# Altium PCB OSP_Carrier_V8.PcbDoc (part 2 of 3)
Units mm, origin at the board's own origin, x right, y up, seen from the top; angles counter-clockwise.
Board outline 64.1 x 51.1 mm, 4 copper layers (Component Side, Signal Layer 1, Signal Layer 2, Solder Side), stack 1.58 mm thick; 182 components, 144 nets, 1232 pads, 422 vias.
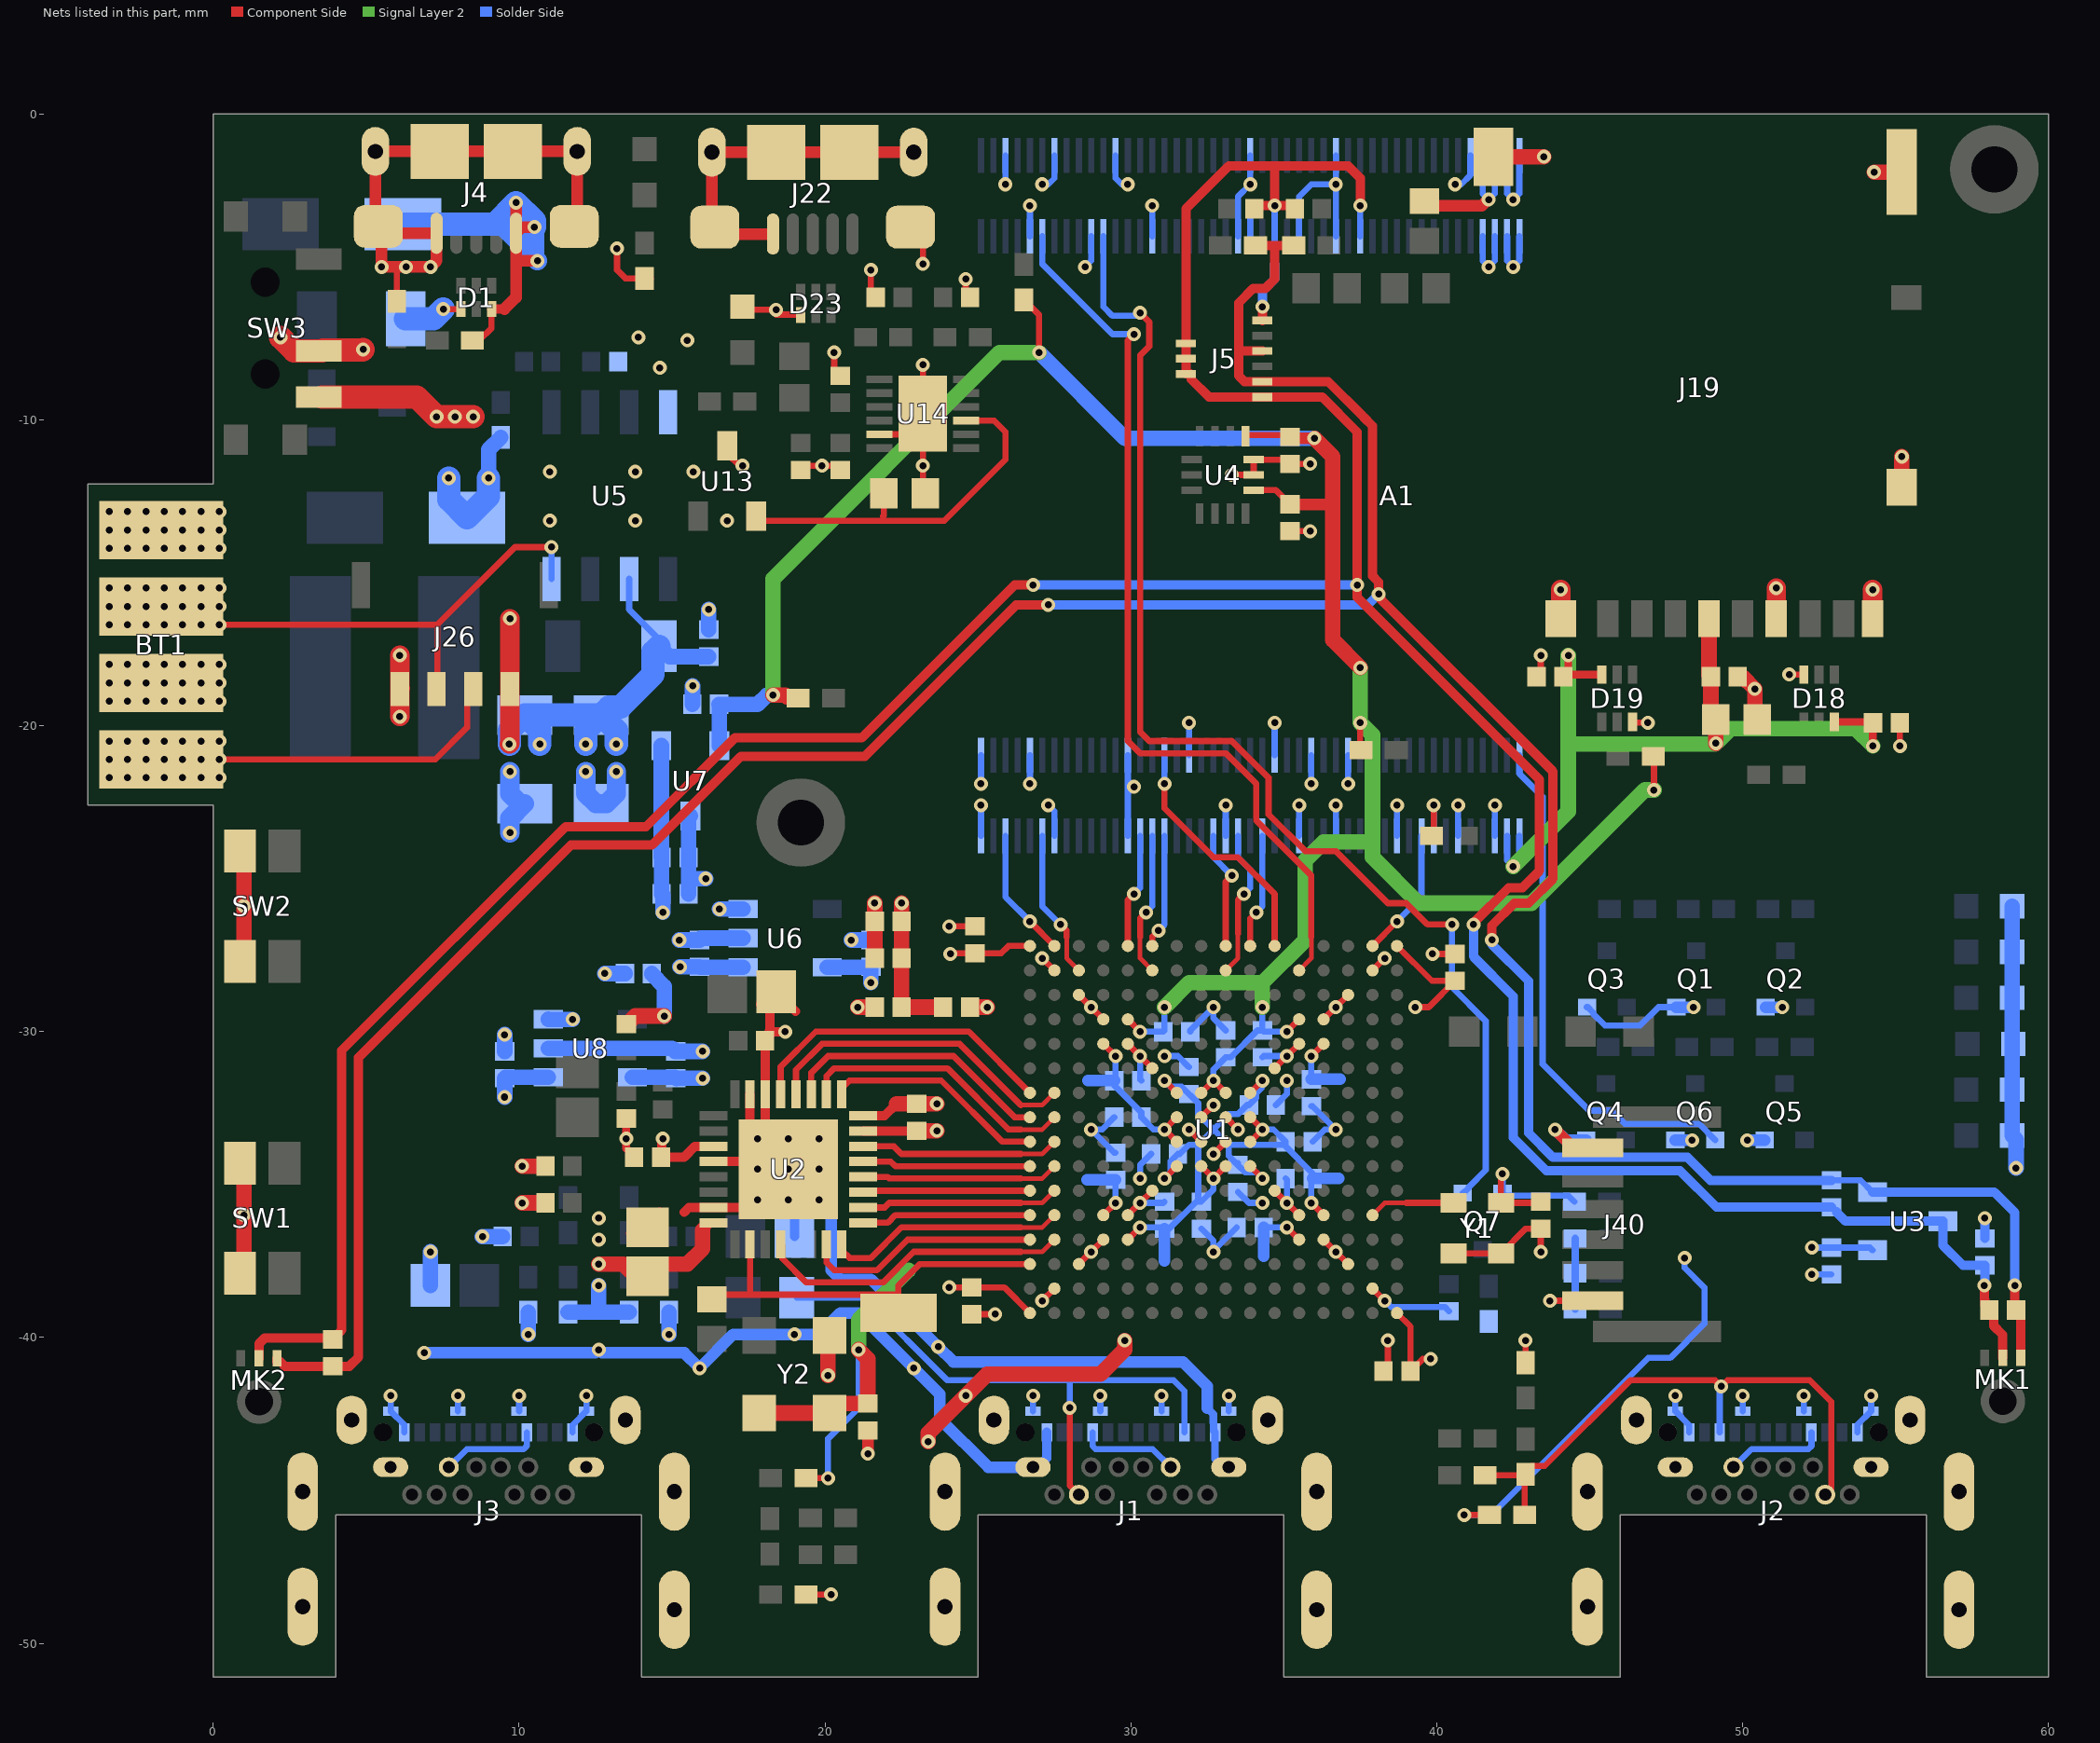
[diagram p4: the nets of this part, all layers, seen from the top]

## Part data (continued)
LD6 LD7 LD11: library part LTST-C191KGKT, "LED GREEN CLEAR 0603 SMD", Current (Test)=20mA, Device Package="0603 (1608 Metric)", Manufacturer="Lite-On Inc.", Supplier Part Number 1=160-1446-2-ND, Voltage Forward=2V, Colour=Green, ComponentLink1Description=Datasheet, ComponentLink1URL=http://optoelectronics.liteon.com/upload/download/DS22-2000-228/S_110_LTST-C191KGKT.pdf, ComponentLink2Description="Digi-Key Listing", ComponentLink2URL=http://www.digikey.ca/product-detail/en/LTST-C191KGKT/160-1446-2-ND/386835, Lens Transparency=Clear, Millicandela=35mcd, PartId=7051, Part Number=LTST-C191KGKT, Price=0.0521, Supplier 1=Digi-Key, Type="Surface Mount", Viewing Angle=130
LD8 LD9: library part LTST-C191KSKT, "LED YELLOW CLEAR 0603 SMD", Current (Test)=20mA, Device Package="0603 (1608 Metric)", Manufacturer="Lite-On Inc.", Supplier Part Number 1=160-1448-2-ND, Voltage Forward=2.1V, Colour=Yellow, ComponentLink1Description=Datasheet, ComponentLink1URL=http://optoelectronics.liteon.com/upload/download/DS22-2000-224/S_110_LTST-C191KSKT.pdf, ComponentLink2Description="Digi-Key Listing", ComponentLink2URL=http://www.digikey.ca/product-detail/en/LTST-C191KSKT/160-1448-2-ND/386839, Lens Transparency=Clear, Millicandela=104mcd, PartId=7053, Part Number=LTST-C191KSKT, Price=0.0555, Supplier 1=Digi-Key, Type="Surface Mount", Viewing Angle=130
LD10: library part LTST-C193TBKT-5A, "LED BLUE CLEAR 0603 SMD", Current (Test)=5mA, Device Package="0603 (1608 Metric)", Manufacturer="Lite-On Inc.", Supplier Part Number 1=160-1827-2-ND, Voltage Forward=2.8V, Colour=Blue, ComponentLink1Description=Datasheet, ComponentLink1URL=http://optoelectronics.liteon.com/upload/download/DS22-2004-060/P_100_LTST-C193TBKT-5A.pdf, ComponentLink2Description="Digi-Key Listing", ComponentLink2URL=http://www.digikey.ca/product-detail/en/LTST-C193TBKT-5A/160-1827-2-ND/2053656, Lens Transparency=Clear, Millicandela=15mcd, PartId=7054, Part Number=LTST-C193TBKT-5A, Price=0.0875, Supplier 1=Digi-Key, Type="Surface Mount", Viewing Angle=130
MK1 MK2: library part DBU_MIC_MEMS_MM023802-1, "DB Unlimited MM023802-1 Knowles-Style Bottom Port MEMS Microphone"
Q1 Q2 Q3 Q4 Q5 Q6 Q7: "MOSFET N-CH 30V 180MA SOT323", Part Number=NX3020NAKW,115
Q8: library part NXP_PMV30XPEAR, "PMV30XPEAR PMOS 20V -5.3A 28mOhms"
R1 R12 R17 R18 R29: library part ERJ-2RKF2001X, "RES SMD 2K OHM 1% 1/10W 0402", Device Package="0402 (1005 Metric)", Manufacturer="Panasonic Electronic Components", PowerRating="0.1W, 1/10W", Supplier Part Number 1=P2.00KLTR-ND, TemperatureCoefficient=100ppm/C, TemperatureRange="-55C ~ 155C", Tolerance=1%, ComponentLink1Description=Datasheet, ComponentLink1URL=http://industrial.panasonic.com/www-cgi/jvcr13pz.cgi?E+PZ+3+AOA0002+ERJ2RKF2001X+7+WW, ComponentLink2Description="Digikey listing", ComponentLink2URL=http://digikey.com/product-detail/en/ERJ-2RKF2001X/P2.00KLTR-ND/192194, PartId=16, Part Number=ERJ-2RKF2001X, Price=0.0043, Supplier 1=Digi-Key, Type="Thick Film"
R3: library part ERJ-2RKF4701X, "RES SMD 4.7K OHM 1% 1/10W 0402", Device Package="0402 (1005 Metric)", Manufacturer="Panasonic Electronic Components", PowerRating="0.1W, 1/10W", Supplier Part Number 1=P4.70KLTR-ND, TemperatureCoefficient=100ppm/C, TemperatureRange="-55C ~ 155C", Tolerance=1%, ComponentLink1Description=Datasheet, ComponentLink1URL=http://industrial.panasonic.com/www-cgi/jvcr13pz.cgi?E+PZ+3+AOA0002+ERJ2RKF4701X+7+WW, ComponentLink2Description="Digikey listing", ComponentLink2URL=http://digikey.com/product-detail/en/ERJ-2RKF4701X/P4.70KLTR-ND/1746231, PartId=5, Part Number=ERJ-2RKF4701X, Price=0.0043, Supplier 1=Digi-Key, Type="Thick Film"
R4 R7 R10 R11 R28 R31 R34 R40 R41 R44: library part ERJ-2RKF1002X, "RES SMD 10K OHM 1% 1/10W 0402", Device Package="0402 (1005 Metric)", Manufacturer="Panasonic Electronic Components", PowerRating="0.1W, 1/10W", Supplier Part Number 1=P10.0KLTR-ND, TemperatureCoefficient=100ppm/C, TemperatureRange="-55C ~ 155C", Tolerance=1%, ComponentLink1Description=Datasheet, ComponentLink1URL=http://industrial.panasonic.com/www-cgi/jvcr13pz.cgi?E+PZ+3+AOA0002+ERJ2RKF1002X+7+WW, ComponentLink2Description="Digikey listing", ComponentLink2URL=http://digikey.com/product-detail/en/ERJ-2RKF1002X/P10.0KLTR-ND/192073, PartId=1, Part Number=ERJ-2RKF1002X, Price=0.0043, Supplier 1=Digi-Key, Type="Thick Film"
  R28 R31 R34: DNP=DNP
R6 R15: library part CRCW06030000Z0EAHP, "RES SMD 0.0 OHM JUMPER 1/4W 0603", Device Package="0603 (1608 Metric)", Manufacturer="Vishay Dale", PowerRating="0.25W, 1/4W", Supplier Part Number 1=541-0.0SBTR-ND, TemperatureRange="-55C ~ 155C", Tolerance=Jumper, ComponentLink1Description=Datasheet, ComponentLink1URL=http://www.vishay.com/docs/20043/crcwhpe3.pdf, ComponentLink2Description="Digi-Key Listing", ComponentLink2URL=https://www.digikey.com/product-detail/en/vishay-dale/CRCW06030000Z0EAHP/541-0.0SBTR-ND/2222231, DNP=DNP, PartId=16113, Part Number=CRCW06030000Z0EAHP, Price=0.0238, Supplier 1=Digi-Key
R8: library part CSR1206FKR200, "RES SMD 0.2 OHM 1% 1/2W 1206", Device Package="1206 (3216 Metric)", Manufacturer="Stackpole Electronics Inc.", PowerRating="0.5W, 1/2W", Supplier Part Number 1=CSR1206FKR200TR-ND, TemperatureCoefficient=100ppm/C, TemperatureRange="-55C ~ 155C", Tolerance=1%, ComponentLink1Description=Datasheet, ComponentLink1URL=http://www.seielect.com/catalog/SEI-CSR_CSRN.pdf, ComponentLink2Description="Digi-Key Listing", ComponentLink2URL=https://www.digikey.com/product-detail/en/stackpole-electronics-inc/CSR1206FKR200/CSR1206FKR200TR-ND/1742391, PartId=9964, Part Number=CSR1206FKR200, Price=0.072, Supplier 1=Digi-Key
R9: library part ERJ-2RKF2201X, "RES SMD 2.2K OHM 1% 1/10W 0402", Device Package="0402 (1005 Metric)", Manufacturer="Panasonic Electronic Components", PowerRating="0.1W, 1/10W", Supplier Part Number 1=P2.20KLTR-ND, TemperatureCoefficient=100ppm/C, TemperatureRange="-55C ~ 155C", Tolerance=1%, ComponentLink1Description=Datasheet, ComponentLink1URL=http://industrial.panasonic.com/www-cgi/jvcr13pz.cgi?E+PZ+3+AOA0002+ERJ2RKF2201X+7+WW, ComponentLink2Description="Digikey listing", ComponentLink2URL=http://digikey.com/product-detail/en/ERJ-2RKF2201X/P2.20KLTR-ND/1746150, PartId=8, Part Number=ERJ-2RKF2201X, Price=0.0043, Supplier 1=Digi-Key, Type="Thick Film"
R13 R16 R19 R21: library part ERJ-2RKF1000X, "RES SMD 100 OHM 1% 1/10W 0402", Device Package="0402 (1005 Metric)", Manufacturer="Panasonic Electronic Components", PowerRating="0.1W, 1/10W", Supplier Part Number 1=P100LTR-ND, TemperatureCoefficient=100ppm/C, TemperatureRange="-55C ~ 155C", Tolerance=1%, ComponentLink1Description=Datasheet, ComponentLink1URL=http://industrial.panasonic.com/www-cgi/jvcr13pz.cgi?E+PZ+3+AOA0002+ERJ2RKF1000X+7+WW, ComponentLink2Description="Digikey listing", ComponentLink2URL=http://digikey.com/product-detail/en/ERJ-2RKF1000X/P100LTR-ND/192080, PartId=3, Part Number=ERJ-2RKF1000X, Price=0.0043, Supplier 1=Digi-Key, Type="Thick Film"
R14 R20: library part ERJ-2RKF1150X, "RES SMD 115 OHM 1% 1/10W 0402", Device Package="0402 (1005 Metric)", Manufacturer="Panasonic Electronic Components", PowerRating="0.1W, 1/10W", Supplier Part Number 1=P115LTR-ND, TemperatureCoefficient=100ppm/C, TemperatureRange="-55C ~ 155C", Tolerance=1%, ComponentLink1Description=Datasheet, ComponentLink1URL=http://industrial.panasonic.com/www-cgi/jvcr13pz.cgi?E+PZ+3+AOA0002+ERJ2RKF1150X+7+WW, ComponentLink2Description="Digikey listing", ComponentLink2URL=http://digikey.com/product-detail/en/ERJ-2RKF1150X/P115LTR-ND/192100, PartId=127, Part Number=ERJ-2RKF1150X, Price=0.0035, Supplier 1=Digi-Key, Type="Thick Film"
R22 R23 R24 R25 R26 R27: library part ERJ-2RKF2000X, "RES SMD 200 OHM 1% 1/10W 0402", Device Package="0402 (1005 Metric)", Manufacturer="Panasonic Electronic Components", PowerRating="0.1W, 1/10W", Supplier Part Number 1=P200LTR-ND, TemperatureCoefficient=100ppm/C, TemperatureRange="-55C ~ 155C", Tolerance=1%, ComponentLink1Description=Datasheet, ComponentLink1URL=http://industrial.panasonic.com/www-cgi/jvcr13pz.cgi?E+PZ+3+AOA0002+ERJ2RKF2000X+7+WW, ComponentLink2Description="Digikey listing", ComponentLink2URL=http://digikey.com/product-detail/en/ERJ-2RKF2000X/P200LTR-ND/192215, PartId=12, Part Number=ERJ-2RKF2000X, Price=0.0043, Supplier 1=Digi-Key, Type="Thick Film"
R30: library part ERJ-2RKF1003X, "RES SMD 100K OHM 1% 1/10W 0402", Device Package="0402 (1005 Metric)", Manufacturer="Panasonic Electronic Components", PowerRating="0.1W, 1/10W", Supplier Part Number 1=P100KLTR-ND, TemperatureCoefficient=100ppm/C, TemperatureRange="-55C ~ 155C", Tolerance=1%, ComponentLink1Description=Datasheet, ComponentLink1URL=http://industrial.panasonic.com/www-cgi/jvcr13pz.cgi?E+PZ+3+AOA0002+ERJ2RKF1003X+7+WW, ComponentLink2Description="Digikey listing", ComponentLink2URL=http://digikey.com/product-detail/en/ERJ-2RKF1003X/P100KLTR-ND/192081, PartId=2, Part Number=ERJ-2RKF1003X, Price=0.0043, Supplier 1=Digi-Key, Type="Thick Film"
R32: library part ERJ-2RKF1003X, "RES SMD 100K OHM 1% 1/10W 0402", Part Number=ERJ-2RKF1003X
R33 R37 R38 R42: library part ERJ-2RKF1001X, "RES SMD 1K OHM 1% 1/10W 0402", Device Package="0402 (1005 Metric)", Manufacturer="Panasonic Electronic Components", PowerRating="0.1W, 1/10W", Supplier Part Number 1=P1.00KLTR-ND, TemperatureCoefficient=100ppm/C, TemperatureRange="-55C ~ 155C", Tolerance=1%, ComponentLink1Description=Datasheet, ComponentLink1URL=http://industrial.panasonic.com/www-cgi/jvcr13pz.cgi?E+PZ+3+AOA0002+ERJ2RKF1001X+7+WW, ComponentLink2Description="Digikey listing", ComponentLink2URL=http://digikey.com/product-detail/en/ERJ-2RKF1001X/P1.00KLTR-ND/79729, PartId=4, Part Number=ERJ-2RKF1001X, Price=0.0043, Supplier 1=Digi-Key, Type="Thick Film"
R35: library part ERJ-2RKF4702X, "RES SMD 47K OHM 1% 1/10W 0402", Device Package="0402 (1005 Metric)", Manufacturer="Panasonic Electronic Components", PowerRating="0.1W, 1/10W", Supplier Part Number 1=P47.0KLTR-ND, TemperatureCoefficient=100ppm/C, TemperatureRange="-55C ~ 155C", Tolerance=1%, ComponentLink1Description=Datasheet, ComponentLink1URL=http://industrial.panasonic.com/www-cgi/jvcr13pz.cgi?E+PZ+3+AOA0002+ERJ2RKF4702X+7+WW, ComponentLink2Description="Digikey listing", ComponentLink2URL=http://digikey.com/product-detail/en/ERJ-2RKF4702X/P47.0KLTR-ND/1746233, PartId=22, Part Number=ERJ-2RKF4702X, Price=0.0043, Supplier 1=Digi-Key, Type="Thick Film"
R36 R39: library part ERJ-2RKF22R0X, "RES SMD 22 OHM 1% 1/10W 0402", Device Package="0402 (1005 Metric)", Manufacturer="Panasonic Electronic Components", PowerRating="0.1W, 1/10W", Supplier Part Number 1=P22.0LTR-ND, TemperatureCoefficient=100ppm/C, TemperatureRange="-55C ~ 155C", Tolerance=1%, ComponentLink1Description=Datasheet, ComponentLink1URL=http://industrial.panasonic.com/www-cgi/jvcr13pz.cgi?E+PZ+3+AOA0002+ERJ2RKF22R0X+7+WW, ComponentLink2Description="Digi-Key Listing", ComponentLink2URL=https://www.digikey.com/product-detail/en/panasonic-electronic-components/ERJ-2RKF22R0X/P22.0LTR-ND/1746157, PartId=12215, Part Number=ERJ-2RKF22R0X, Price=0.0028, Supplier 1=Digi-Key
R47: library part ERJ-2RKF1004X, "RES SMD 1M OHM 1% 1/10W 0402", Device Package="0402 (1005 Metric)", Manufacturer="Panasonic Electronic Components", PowerRating="0.1W, 1/10W", Supplier Part Number 1=P1.00MLTR-ND, TemperatureCoefficient=100ppm/C, TemperatureRange="-55C ~ 155C", Tolerance=1%, ComponentLink1Description=Datasheet, ComponentLink1URL=http://industrial.panasonic.com/www-cgi/jvcr13pz.cgi?E+PZ+3+AOA0002+ERJ2RKF1004X+7+WW, ComponentLink2Description="Digikey listing", ComponentLink2URL=http://digikey.com/product-detail/en/ERJ-2RKF1004X/P1.00MLTR-ND/79728, PartId=7, Part Number=ERJ-2RKF1004X, Price=0.0043, Supplier 1=Digi-Key, Type="Thick Film"
R49: library part ERJ-2RKF4700X, "RES SMD 470 OHM 1% 1/10W 0402", Device Package="0402 (1005 Metric)", Manufacturer="Panasonic Electronic Components", PowerRating="0.1W, 1/10W", Supplier Part Number 1=P470LTR-ND, TemperatureCoefficient=100ppm/C, TemperatureRange="-55C ~ 155C", Tolerance=1%, ComponentLink1Description=Datasheet, ComponentLink1URL=http://industrial.panasonic.com/www-cgi/jvcr13pz.cgi?E+PZ+3+AOA0002+ERJ2RKF4700X+7+WW, ComponentLink2Description="Digikey listing", ComponentLink2URL=http://digikey.com/product-detail/en/ERJ-2RKF4700X/P470LTR-ND/1746229, PartId=176, Part Number=ERJ-2RKF4700X, Price=0.0043, Supplier 1=Digi-Key, Type="Thick Film"
R54 R55: library part ERJ-2RKF33R0X, "RES SMD 33 OHM 1% 1/10W 0402", Device Package="0402 (1005 Metric)", Manufacturer="Panasonic Electronic Components", PowerRating="0.1W, 1/10W", Supplier Part Number 1=P33.0LTR-ND, TemperatureCoefficient=100ppm/C, TemperatureRange="-55C ~ 155C", Tolerance=1%, ComponentLink1Description=Datasheet, ComponentLink1URL=http://industrial.panasonic.com/www-cgi/jvcr13pz.cgi?E+PZ+3+AOA0002+ERJ2RKF33R0X+7+WW, ComponentLink2Description="Digikey listing", ComponentLink2URL=http://digikey.com/product-detail/en/ERJ-2RKF33R0X/P33.0LTR-ND/1746198, PartId=21, Part Number=ERJ-2RKF33R0X, Price=0.0043, Supplier 1=Digi-Key, Type="Thick Film"
R78: library part CRCW08050000Z0EAHP, "RES SMD 0.0 OHM JUMPER 1/2W 0805", Device Package="0805 (2012 Metric)", Manufacturer="Vishay Dale", PowerRating="0.5W, 1/2W", Supplier Part Number 1=541-0.0TBTR-ND, TemperatureRange="-55C ~ 155C", Tolerance=Jumper, ComponentLink1Description=Datasheet, ComponentLink1URL=http://www.vishay.com/docs/20043/crcwhpe3.pdf, ComponentLink2Description="Digi-Key Listing", ComponentLink2URL=https://www.digikey.com/product-detail/en/vishay-dale/CRCW08050000Z0EAHP/541-0.0TBTR-ND/2222316, PartId=16147, Part Number=CRCW08050000Z0EAHP, Price=0.0356, Supplier 1=Digi-Key
SW1 SW2: library part PANASONIC_EVQ-P7A01P, "Tact Switch SMT Right Angle"
TP1 TP2 TP3 TP4: "1mm Square SMD Test Point", DNP=DNP
TP5: "Julian Extra-Large SMD Test Point", DNP=DNP
U1: library part LCMXO3LF-6900C-XBG256X, "Lattice MachXO3LF-6900C-5BG256C FPGA"
U2: "Imported", Manufacturer_Part_Number=AD9235BCPZRL7-20, RefDes=Refdes, Type=Type, Vendor=Vendor
U3 U7 U13: "IC REG LDO 1.8V 0.15A SOT23-3", Current - Limit (Min)=200mA, Device Package="TO-236-3, SC-59, SOT-23-3", Manufacturer="Diodes Incorporated", Operating Temperature="-40C ~ 85C", Supplier Part Number 1=AP7313-18SAG-7DITR-ND, Voltage - Input="2 V ~ 6 V", Voltage - Output=1.8V, Voltage Dropout=-, ComponentLink1Description=Datasheet, ComponentLink1URL=http://www.diodes.com/_files/datasheets/AP7313.pdf, ComponentLink2Description="Digi-Key Listing", ComponentLink2URL=http://www.digikey.ca/product-detail/en/AP7313-18SAG-7/AP7313-18SAG-7DITR-ND/2270804, PartId=7912, Part Number=AP7313-18SAG-7, Price=0.1675, Supplier 1=Digi-Key, Topology="Positive Fixed"
U4: library part BOSCH_BMI160, "BMI160 2.5 x 3 mm Tiaxial Accelerometer / Gyroscope Inertial Measurement Unit"
U5: "Analog / Linear 1.5A Single Cell Li-Ion Battery Charger"
U6 U8: library part ROHM_BU33SD5WG, "ROHM BU33SD5WG-TR 3.3V 500mA LDO", CURRENT=500mA, Voltage=3.3V
U14: library part FTDI_FT234XD, "FTDI FT234XD USB to UART"
Y1: library part MC_DSC1033DI2-012.2880, "Microchip 12.288 MHz SMD MEMS Oscillator", DIGIKEY_PN=DSC1033DI2-012.2880-ND
Y2: library part ABRA_ASFLMB-1.544MHZ-LR-T, "Abracon ASFLMB-1.544MHZ-LR-T", DIGIKEY_PN=535-11006-1-ND, DNP=DNP

## Via types
v1: diameter 0.457, hole 0.229, Component Side to Solder Side, tented both sides, 422 vias

## Nets (pads, with @x,y where several pads share a name; then routed paths per layer and width w, separated by ;. In a path a pad name is that pad's centre, name@x,y a point inside that pad or via, vN(x,y) a via of type N, cw(c..) or ccw(c..) an arc to the next point about the centre after c; other vN are vias at no path point)
1V8_UART: C70.2 U13.3 U14.9 | length 12.1
  Component Side w0.203: U13.3@17.75,-13.15 17.9,-13.3 23.9,-13.3 25.9,-11.3 25.9,-10.4 25.525,-10.025 U14.9@24.615,-10.025 ; 21.9,-13.15 21.925,-13.125 C70.2@21.925,-12.4
+1V8_IO: C12.2 C18.1 C21.1 C23.1 C39.1 C62.1 R28.2 R31.2 R44.2 R47.2 U1.K8 U1.K9 U1.N5 U1.N12 U4.5 U4.8 U7.3 | length 84
  Component Side w0.203: R28.2@26.5,-6.075 27,-6.575 v1(27,-7.8) ; U1.N12@29.9,-29.6 v1(30.3,-30) ; U1.K9@32.3,-32 v1(32.7,-31.6) U1.K8@33.1,-32 ; U4.8@33.75,-10.537 33.788,-10.5 35.14,-10.5 C18.1@35.2,-10.56 C18.1@35.24,-10.6 ; U4.5@34.012,-12.3 34.74,-12.3 C39.1@35.2,-12.76 ; v1(35.1,-30) U1.N5@35.5,-29.6 ; v1(37.5,-19.9) 37.5,-20.775 R31.2@37.525,-20.8 ; R47.2@47.075,-21 47.1,-21.025 v1(47.1,-22.1)
  Component Side w0.381: C39.1@35.2,-12.76 36.56,-12.76 36.6,-12.8 ; C18.1@35.24,-10.6 v1(36,-10.6)
  Component Side w0.508: v1(18.3,-18.998) 18.708,-18.998 18.763,-19.054 19.079,-19.054 R44.2@19.125,-19.1 ; v1(36,-10.6) 36.6,-11.2 36.6,-12.8 36.6,-17.2 v1(37.5,-18.1)
  Signal Layer 2 w0.508: v1(18.3,-18.998) 18.3,-15.2 25.7,-7.8 v1(27,-7.8) ; v1(31.1,-29.2) 31.9,-28.4 34.3,-28.4 ; v1(34.3,-29.2) 34.3,-28.4 ; v1(37.5,-18.1) v1(37.5,-19.9) 37.9,-20.3 37.9,-23.8 ; v1(47.1,-22.1) 46.8,-22.1 43.1,-25.8 39.4,-25.8 37.9,-24.3 37.9,-23.8 ; 34.3,-28.4 35.7,-27 35.7,-24.4 36.3,-23.8 37.9,-23.8
  Solder Side w0.203: v1(30.3,-30) C21.1@31.06,-30 31.1,-29.96 v1(31.1,-29.2) ; v1(32.7,-31.6) 32.7,-31.24 C12.2@33.1,-30.84 33.26,-30.84 34.14,-29.96 C23.1@34.3,-29.96 ; v1(34.3,-29.2) C23.1@34.3,-29.96 ; v1(35.1,-30) 34.34,-30 C23.1@34.3,-29.96
  Solder Side w0.508: U7.3@16.55,-20.65 16.55,-19.31 C62.1@16.54,-19.3 17.8,-19.3 18.102,-18.998 v1(18.3,-18.998) ; v1(27,-7.8) 29.8,-10.6 v1(36,-10.6)
+1V8_MIC: C44.1 C64.2 C65.2 J5.3 J5.7 MK1.3 MK2.3 R40.2 R41.2 U3.3 | length 113.3
  Component Side w0.305: MK2.3@2.085,-40.685 2.085,-40.79 2.092,-40.798 2.198,-40.798 2.34,-40.94 C65.2@3.9,-40.94 4.45,-40.94 4.752,-40.638 4.752,-30.848 11.7,-23.9 14.35,-23.9 17.25,-21 21.3,-21 26.25,-16.05 v1(27.3,-16.05) ; R40.2@34.075,-4.3 34.7,-4.3 ; J5.3@34.3,-7.75 33.525,-7.75 ; R41.2@35.325,-4.3 34.7,-4.3 ; 37.575,-9.875 36.45,-8.75 J5.7@34.3,-8.75 33.715,-8.75 33.525,-8.56 33.525,-7.75 ; 37.6,-9.9 37.9,-10.2 37.9,-15.1 38.1,-15.3 v1(38.1,-15.7) 38.1,-15.741 38.176,-15.817 38.176,-15.876 43.8,-21.5 43.8,-25 43,-25.8 42.535,-25.8 41.8,-26.535 v1(41.8,-27) ; v1(58.9,-38.3) 58.9,-39.06 C64.2@58.94,-39.1 ; C64.2@58.94,-39.202 58.94,-39.222 59.092,-39.374 MK1.3@59.092,-40.665 ; 33.525,-7.75 33.525,-6.175 34,-5.7 34.4,-5.7 34.7,-5.4 34.7,-4.3
  Solder Side w0.203: C44.1@52.9,-34.86 53.86,-34.86 U3.3@54.25,-35.25
  Solder Side w0.305: v1(27.3,-16.05) 37.75,-16.05 v1(38.1,-15.7) ; v1(41.8,-27) 41.8,-27.15 43,-28.35 43,-33.315 43.797,-34.112 48.195,-34.112 48.944,-34.86 C44.1@52.9,-34.86 ; U3.3@54.25,-35.25 58.229,-35.25 58.9,-35.921 v1(58.9,-38.3)
+3V3_A: C27.1 C41.2 C63.1 R33.2 R38.2 U2.27 U2.32 U8.5 | length 13
  Component Side w0.203: C41.2@13.8,-37.6 C41.2@14.2,-38 14.6,-37.6 C41.2@14.7,-37.5
  Component Side w0.305: v1(14.7,-33.5) 14.671,-33.529 14.671,-34.069 C63.1@14.64,-34.1 15.4,-34.1 15.75,-33.75 U2.27@16.349,-33.75 ; 16,-36.5 16.25,-36.25 U2.32@16.349,-36.25
  Component Side w0.508: v1(12.6,-37.6) 13.4,-37.6 13.6,-37.8 C41.2@13.8,-37.6 ; C41.2@14.6,-37.6 15.5,-37.6 16,-37.1 16,-36.5
  Solder Side w0.508: R38.2@11.6,-39.175 12.6,-39.175 ; v1(12.6,-38.3) 12.6,-39.175 ; R33.2@13.6,-39.175 12.6,-39.175 ; U8.5@13.703,-31.495 15.098,-31.495 C27.1@15.128,-31.525 ; C27.1@15.141,-31.537 C27.1@15.128,-31.525 ; v1(16,-31.525) C27.1@15.128,-31.525
+3V3_D: C1.2 C2.1 C3.2 C42.1 C45.2 C55.1 FB1.1 R12.2 R18.2 U2.16 U6.5 Y2.1 Y2.4 | length 37.1
  Component Side w0.203: R18.2@19.375,-44.6 v1(20.1,-44.6) ; v1(40.9,-45.8) R12.2@41.725,-45.8
  Component Side w0.305: U2.16@21.251,-32.75 21.95,-32.75 22.34,-32.36
  Component Side w0.508: Y2.4@17.85,-42.47 Y2.1@20.15,-42.47 20.46,-42.16 C45.2@21.4,-42.16 21.4,-40.7 v1(21.1,-40.4) ; 22.34,-32.36 C42.1@23,-32.36 v1(23.66,-32.36) ; v1(22.506,-25.8) C1.2@22.506,-26.4 C2.1@22.506,-27.6 C3.2@22.506,-29.2 FB1.1@23.86,-29.2
  Signal Layer 2 w0.508: v1(21.1,-40.4) 21.1,-39.429 22.732,-37.798
  Solder Side w0.203: v1(20.1,-44.6) 20.1,-43.31 21.1,-42.31 v1(21.1,-40.4) ; v1(40.9,-45.8) 41.78,-45.8 46.912,-40.668 47.632,-40.668 48.75,-39.55 48.75,-38.37 48.1,-37.72 v1(48.1,-37.4)
  Solder Side w0.508: U6.5@20.075,-27.895 C55.1@21.49,-27.895 ; v1(21.5,-28.4) 21.5,-27.905 C55.1@21.49,-27.895 ; C55.1@21.5,-27.886 C55.1@21.49,-27.895
+3V3_F: C4.2 C5.2 C6.2 C7.2 C8.2 C9.2 C10.2 C11.2 C13.2 C15.2 C16.2 C17.2 C19.2 C20.2 C22.1 C25.1 C26.1 C28.1 FB1.2 J40.1 R3.2 R4.2 R7.2 R10.2 U1.A1 U1.A16 U1.D5 U1.D12 U1.E4 U1.E13 U1.G7 U1.G8 U1.G9 U1.G10 U1.H7 U1.H10 U1.J7 U1.J10 U1.K7 U1.K10 U1.M4 U1.M13 U1.T1 U1.T16 Y1.1 Y1.4 | length 61.6
  Component Side w0.203: v1(24.06,-38.36) C9.2@24.8,-38.36 25.86,-38.36 U1.A16@26.7,-39.2 ; v1(24.1,-27.46) 24.12,-27.44 C4.2@24.9,-27.44 25.76,-27.44 26,-27.2 U1.T16@26.7,-27.2 ; U1.E13@29.1,-36 v1(29.5,-35.6) ; U1.M13@29.1,-30.4 v1(29.5,-30.8) ; U1.D12@29.9,-36.8 v1(30.3,-36.4) ; v1(31.1,-34.8) U1.G10@31.5,-34.4 ; v1(31.1,-31.6) U1.K10@31.5,-32 ; U1.H10@31.5,-33.6 v1(31.1,-33.2) U1.J10@31.5,-32.8 ; U1.G9@32.3,-34.4 v1(32.7,-34.8) U1.G8@33.1,-34.4 ; U1.G7@33.9,-34.4 v1(34.3,-34.8) ; U1.H7@33.9,-33.6 v1(34.3,-33.2) U1.J7@33.9,-32.8 ; U1.K7@33.9,-32 v1(34.3,-31.6) ; v1(35.1,-36.4) U1.D5@35.5,-36.8 ; v1(35.9,-35.6) U1.E4@36.3,-36 ; v1(35.9,-30.8) U1.M4@36.3,-30.4 ; U1.A1@38.7,-39.2 39.14,-39.64 C5.2@39.14,-41.1 39.54,-40.7 v1(39.8,-40.7) ; U1.T1@38.7,-27.2 39.84,-28.34 C8.2@40.6,-28.34 39.74,-29.2 v1(39.3,-29.2) ; Y1.4@40.55,-37.25 Y1.1@42.1,-37.25 42.91,-36.44 C17.2@43.4,-36.44 v1(43.4,-37.2) ; v1(43.7,-38.8) J40.1@45.1,-38.8
  Component Side w0.508: FB1.2@24.74,-29.2 v1(25.3,-29.2)
  Solder Side w0.203: v1(29.5,-35.6) C28.1@29.5,-34.84 ; v1(29.5,-30.8) 29.5,-31.56 C26.1@29.46,-31.6 29.46,-31.76 30.34,-32.64 C16.2@30.34,-32.8 30.74,-33.2 v1(31.1,-33.2) ; v1(30.3,-36.4) 31.06,-36.4 C22.1@31.1,-36.44 31.26,-36.44 32.14,-35.56 C13.2@32.3,-35.56 ; v1(31.1,-34.8) 31.3,-34.6 31.3,-34.24 C7.2@31.54,-34 31.6,-34 31.9,-33.7 32.2,-33.7 ; v1(31.1,-31.6) 31.3,-31.8 31.66,-31.8 32.2,-32.34 32.2,-32.7 32.7,-33.2 ; v1(32.7,-34.8) 32.7,-35.16 C13.2@32.3,-35.56 ; C11.2@33.5,-34.3 C11.2@33.5,-34.36 ; v1(34.3,-34.8) 34.1,-34.6 33.74,-34.6 C11.2@33.5,-34.36 ; v1(34.3,-33.2) 34.66,-33.2 C20.2@35.06,-33.6 ; v1(34.3,-31.6) 34.3,-31.8 34.1,-32 34.1,-32.16 C6.2@33.86,-32.4 33.8,-32.4 33.5,-32.7 33.2,-32.7 32.7,-33.2 ; C25.1@34.34,-36.4 v1(35.1,-36.4) ; v1(35.9,-35.6) 35.9,-34.84 C15.2@35.94,-34.8 35.94,-34.64 C20.2@35.06,-33.76 ; C19.2@35.9,-31.56 v1(35.9,-30.8) ; 32.2,-33.7 32.7,-33.2 ; 32.2,-33.7 32.2,-35.46 C13.2@32.3,-35.56 ; 32.7,-33.2 33.2,-33.7 ; 33.2,-33.7 33.2,-34.06 C11.2@33.5,-34.36 ; 33.2,-33.7 34.96,-33.7 C20.2@35.06,-33.6 ; C20.2@35.06,-33.76 C20.2@35.06,-33.6 ; C20.2@35.06,-33.76 C20.2@35.06,-33.6
  Solder Side w0.254: R10.2@44.525,-39.075 R4.2@44.525,-37.9 R7.2@44.525,-36.76
  Solder Side w0.381: 28.56,-34.84 C28.1@29.5,-34.84 ; 28.6,-31.6 C26.1@29.46,-31.6 ; 31.1,-37.5 C22.1@31.1,-36.44 ; 34.34,-37.34 C25.1@34.34,-36.4 ; C19.2@35.9,-31.56 36.84,-31.56 ; C15.2@35.94,-34.8 36.8,-34.8
+3V7: A1.1 A1.2 A1.3 A1.4 A1.5 A1.6 A1.7 A1.8 C24.1 C43.1 C54.1 C60.2 C61.2 J1.A9 J1.B9 J2.A4 J2.B4 J3.A4 J3.B4 LD5.1 LD6.1 LD7.1 LD8.1 LD9.1 LD10.1 R6.2 SW3.3 U3.1 U6.1 U6.3 U7.1 U8.1 U8.3 | length 49.6
  Component Side w0.381: R6.2@39.6,-2.85 39.75,-3 41.479,-3 41.679,-2.8 v1(41.7,-2.8)
  Component Side w0.762: SW3.3@3.55,-9.25 6.65,-9.25 v1(7.3,-9.9) v1(7.9,-9.9) v1(8.5,-9.9)
  Solder Side w0.203: J3.B4@7.7,-44.24 8.29,-43.65 10.149,-43.65 10.25,-43.549 J3.A4@10.25,-43.1 ; J1.A9@28.75,-43.1 28.75,-43.549 28.851,-43.65 30.71,-43.65 J1.B9@31.3,-44.24 ; A1.7@41.5,-4 41.5,-4.8 v1(41.7,-5) 41.9,-4.8 A1.5@41.9,-4 ; A1.8@41.5,-1.36 41.5,-2.6 v1(41.7,-2.8) 41.9,-2.6 A1.6@41.9,-1.36 ; A1.3@42.3,-4 42.3,-4.8 v1(42.5,-5) 42.7,-4.8 A1.1@42.7,-4 ; A1.4@42.3,-1.36 42.3,-2.6 v1(42.5,-2.8) 42.7,-2.6 A1.2@42.7,-1.36 ; J2.B4@49.7,-44.24 50.29,-43.65 52.149,-43.65 52.25,-43.549 J2.A4@52.25,-43.1 ; v1(52.26,-37.06) C43.1@52.9,-37.06 54.16,-37.06 U3.1@54.25,-37.15